# Altium PCB IS12.01.01.PcbDoc
Units mm, origin at the board's own origin, x right, y up, seen from the top; angles counter-clockwise.
Board outline 100 x 100 mm, 2 copper layers (Top Layer, Bottom Layer); 139 components, 131 nets, 684 pads, 23 vias.
Unrouted connection lines stored in the file: 334.
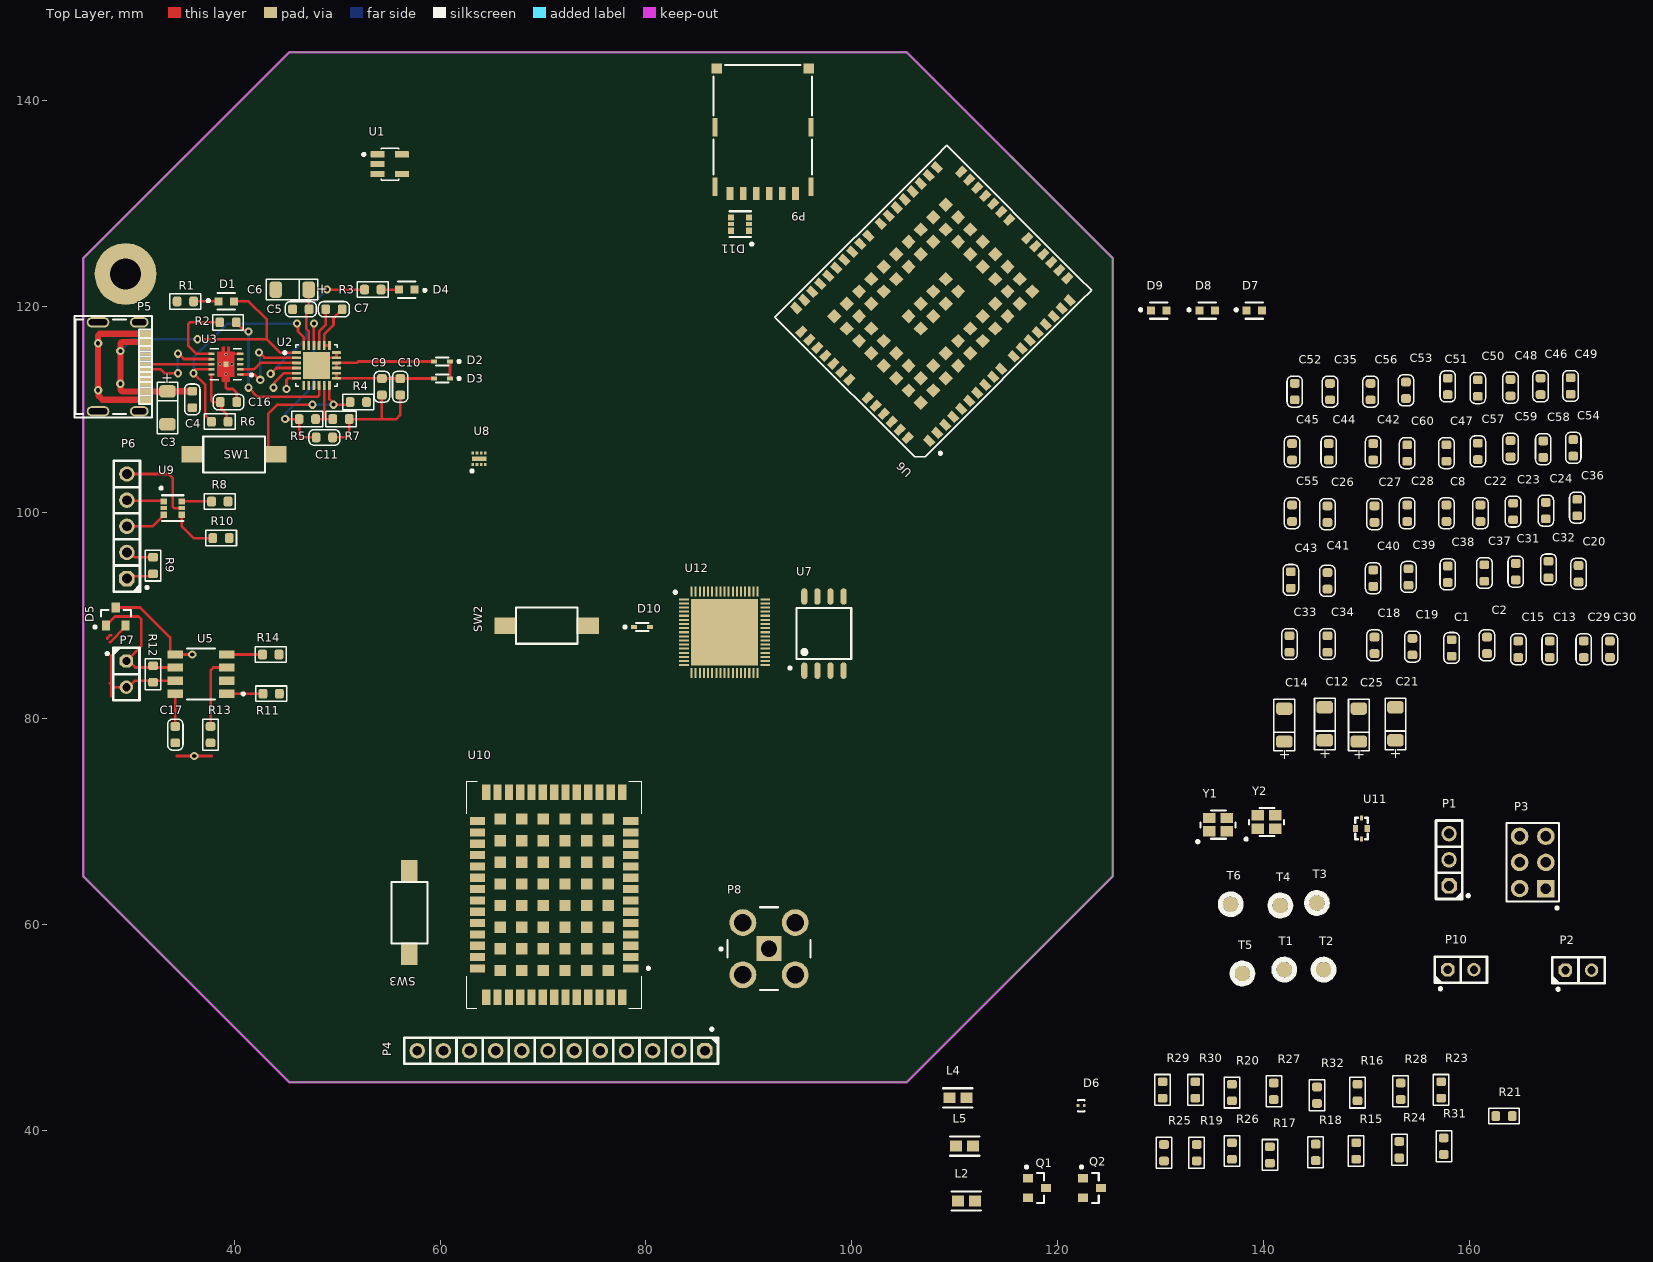
[diagram p0: Top Layer view]
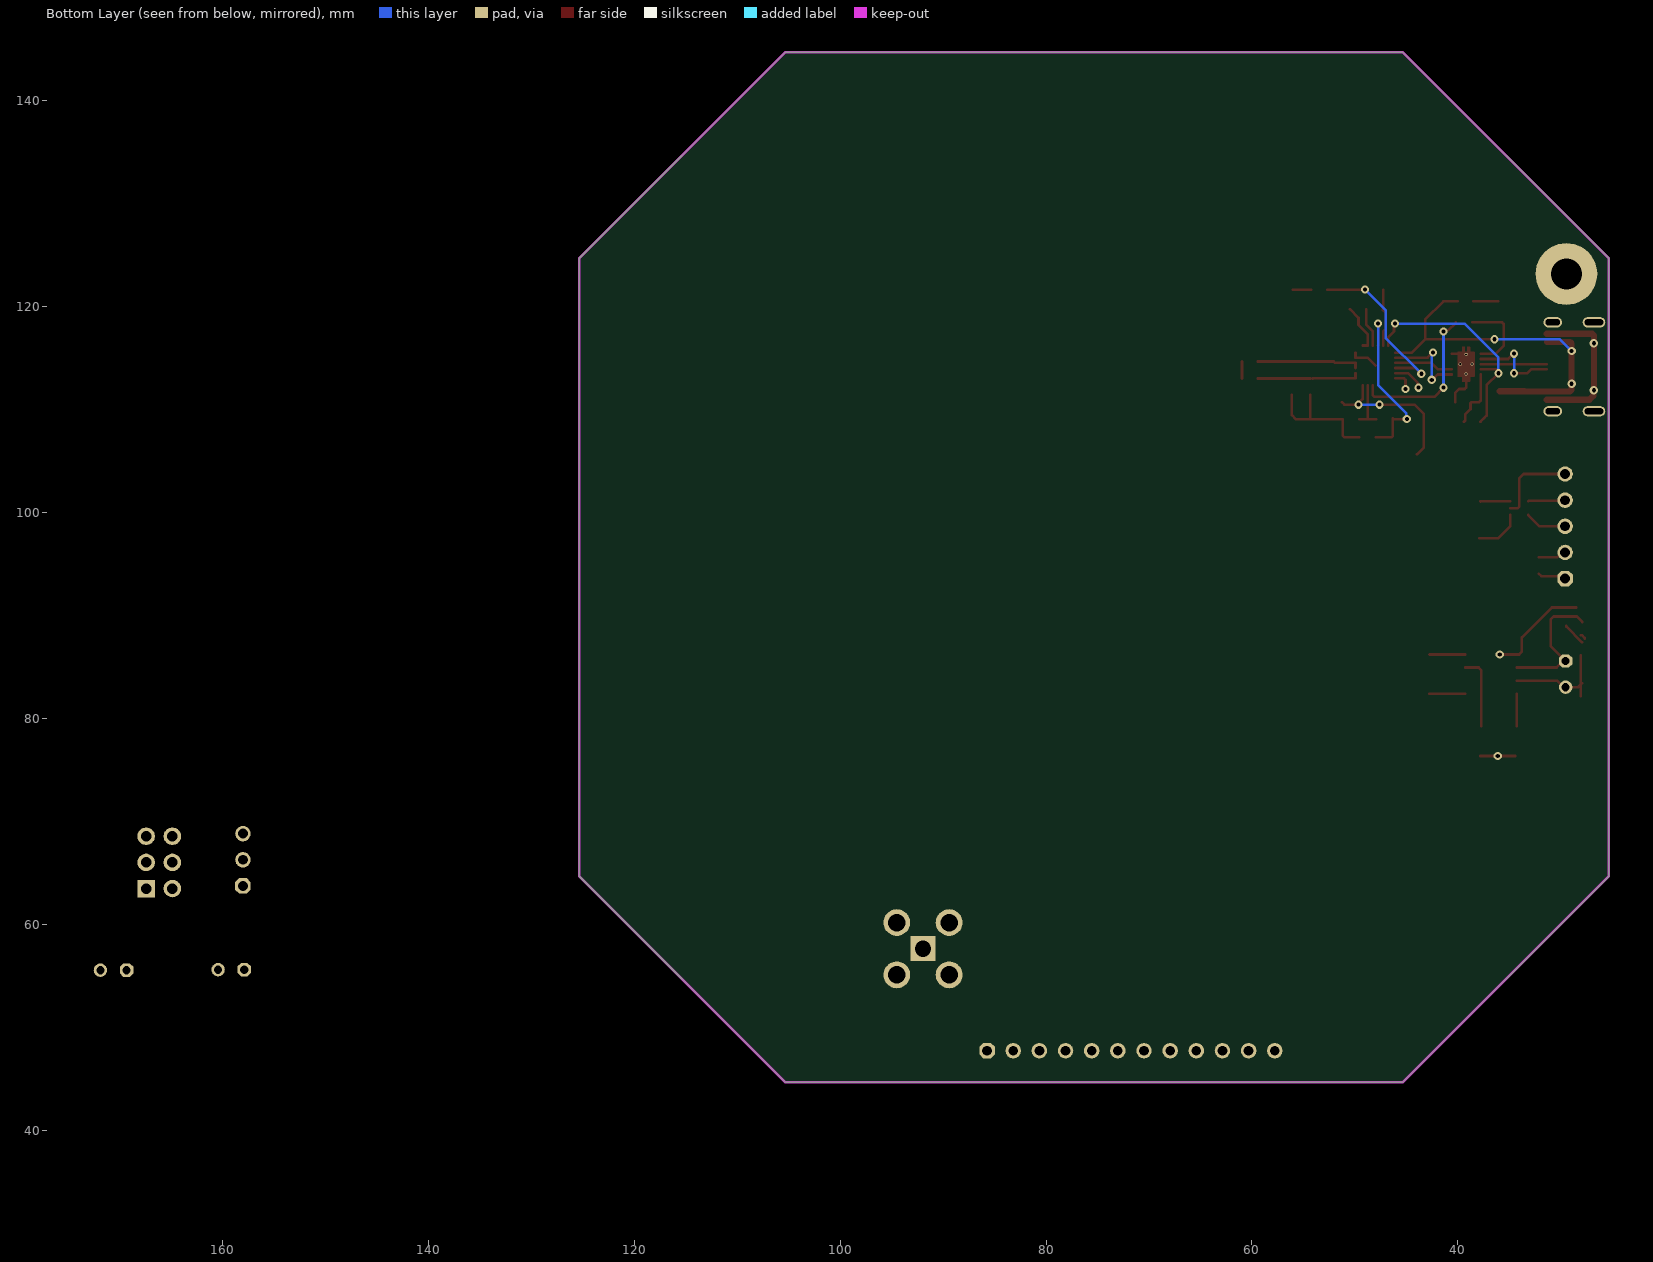
[diagram p1: Bottom Layer view, seen from below]

## Layer stack, top to bottom
Top Solder: solder mask 0.0102, Solder Resist, Dk 3.5
Top Layer: signal copper 0.0356
Dielectric 1: dielectric 0.32, FR-4, Dk 4.8
Bottom Layer: signal copper 0.0356
Bottom Solder: solder mask 0.0102, Solder Resist, Dk 3.5

## Board outline
25.339,64.704 25.339,124.704 45.339,144.704 105.339,144.704 125.339,124.704 125.339,64.704 105.339,44.704 45.339,44.704

## Design rules (kind name [scope] priority, off if disabled: settings)
Clearance [All] p1: gap=0.15 ignorepadtopadclearanceinfootprint=FALSE
PolygonConnect [All] p1: connectstyle=Relief reliefconductorwidth=0.254 reliefentries=4 polygonreliefangle="90 Angle" airgapwidth=0.254
RoutingVias [All] p1: holewidth=0.711 width=1.27 viastyle="Through Hole" minholewidth=0.711 minwidth=1.27 maxholewidth=0.711 maxwidth=1.27
SolderMaskExpansion [All] p1: expansion=0.102 istentingtop=FALSE
Width [All] p1: maxlimit=1 minlimit=0.254 preferedwidth=0.5 minimp=50.000000 maximp=50.000000 favimp=50.000000
30 further rules are at their usual default settings.

## Components (designator, comment, footprint, x,y, rotation, side; value= is the part's Value field where it differs from the comment)
C1 "DNP" C-0603 158.242,86.868 r90 top
C2 "4u7" C-0603 161.671,87.122 r90 top
C3 "100u" A-TANTAL-A 33.528,110.185 r270 top
C4 "DNP" C-0603 35.941,110.998 r90 top
C5 "DNP" C-0603 46.482,119.761 r0 top
C6 "100u" A-TANTAL-A 45.644,121.666 r180 top
C7 "4u7" C-0603 49.695,119.761 r180 top
C8 "DNP" C-0603 157.734,99.949 r90 top
C9 "4u7" C-0603 54.356,112.23 r90 top
C10 "4u7" C-0603 56.134,112.23 r90 top
C11 "4u7" C-0603 48.768,107.315 r180 top
C12 "100u" A-TANTAL-A 145.923,79.502 r90 top
C13 "DNP" C-0603 167.767,86.741 r90 top
C14 "100u" A-TANTAL-A 141.986,79.375 r90 top
C15 "DNP" C-0603 164.719,86.741 r90 top
C16 "DNP" C-0603 39.459,110.744 r180 top
C17 "DNP" C-0603 34.29,78.448 r90 top
C18 "DNP" C-0603 150.749,87.122 r90 top
C19 "DNP" C-0603 154.432,86.995 r90 top
C20 "DNP" C-0603 170.561,94.069 r90 top
C21 "100u" A-TANTAL-A 152.781,79.502 r90 top
C22 "DNP" C-0603 161.036,99.949 r90 top
C23 "DNP" C-0603 164.211,100.114 r90 top
C24 "DNP" C-0603 167.386,100.203 r90 top
C25 "100u" A-TANTAL-A 149.225,79.375 r90 top
C26 "10n" C-0603 146.177,99.86 r90 top
C27 "10n" C-0603 150.749,99.86 r90 top
C28 "10n" C-0603 153.924,99.949 r90 top
C29 "10n" C-0603 171.069,86.741 r90 top
C30 "DNP" C-0603 173.609,86.741 r90 top
C31 "22p" C-0603 164.465,94.272 r90 top
C32 "22p" C-0603 167.64,94.488 r90 top
C33 "22p" C-0603 142.494,87.249 r90 top
C34 "22p" C-0603 146.177,87.249 r90 top
C35 "4u7" C-0603 146.431,111.76 r90 top
C36 "DNP" C-0603 170.434,100.495 r90 top
C37 "DNP" C-0603 161.417,94.145 r90 top
C38 "22p" C-0603 157.861,94.018 r90 top
C39 "22p" C-0603 154.051,93.764 r90 top
C40 "DNP" C-0603 150.622,93.637 r90 top
C41 "DNP" C-0603 146.177,93.383 r90 top
C42 "DNP" C-0603 150.622,105.918 r90 top
C43 "4u7" C-0603 142.621,93.472 r90 top
C44 "DNP" C-0603 146.304,105.918 r90 top
C45 "DNP" C-0603 142.748,105.918 r90 top
C46 "4u7" C-0603 166.878,112.268 r90 top
C47 "DNP" C-0603 157.734,105.791 r90 top
C48 "DNP" C-0603 163.957,112.141 r90 top
C49 "DNP" C-0603 169.799,112.306 r90 top
C50 "DNP" C-0603 160.782,112.103 r90 top
C51 "22p" C-0603 157.861,112.268 r90 top
C52 "DNP" C-0603 143.002,111.76 r90 top
C53 "22p" C-0603 153.797,111.887 r90 top
C54 "22p" C-0603 170.053,106.299 r90 top
C55 "22p" C-0603 142.748,99.949 r90 top
C56 "DNP" C-0603 150.368,111.76 r90 top
C57 "22p" C-0603 160.782,105.956 r90 top
C58 "DNP" C-0603 167.132,106.172 r90 top
C59 "DNP" C-0603 163.957,106.21 r90 top
C60 "DNP" C-0603 153.924,105.791 r90 top
D1 "/Name" FP-LTST-C191TBKT-MFG 39.255,120.523 r0 top
D2 "BAT54KFILM" SOD-523 60.198,114.681 r180 top value=7pF
D3 "BAT54KFILM" SOD-523 60.198,113.03 r180 top value=7pF
D4 "/Name" FP-LTST-C191TBKT-MFG 56.769,121.666 r180 top
D5 "SZNUP2105LT1G" FP-Micro3-IPC_B 28.514,89.912 r90 top value=30pF
D6 "EZA-EG1N50AC" FP-EZAEG1-MFG 122.25,42.41 r0 top
D7 "/Name" FP-LTST-C191TBKT-MFG 139.077,119.634 r0 top
D8 "/Name" FP-LTST-C191TBKT-MFG 134.493,119.634 r0 top
D9 "/Name" FP-LTST-C191TBKT-MFG 129.794,119.634 r0 top
D10 "BAT54KFILM" SOD-523 79.629,88.9 r0 top value=7pF
D11 "PESD3V3L5UY,115" SOT95P280X145-6N 89.154,128.016 r180 top
L2 "10 µH" FP-MLZ1608-IPC_A 111.125,33.147 r0 top
L4 "10 µH" FP-MLZ1608-IPC_A 110.299,43.18 r0 top
L5 "10 µH" FP-MLZ1608-IPC_A 110.935,38.481 r0 top
P1 "boot" PLS-3 157.988,66.294 r90 top
P2 "RS485" PLS-2 170.561,55.626 r0 top
P3 "SWD" SMTC-TSW-103-08-L-D_V 166.139,66.031 r90 top
P4 "Interface select" PLS-12 71.78,47.701 r180 top
P5 "Type-C" FP-217179-0001-MFG 27.94,114.173 r270 top
P6 "GNSS USB Connector" PLS-5 29.591,98.679 r90 top
P7 "RS485" PLS-2 29.591,84.328 r270 top
P8 "ANT" FP-142-0701-201-MFG 91.948,57.658 r0 top
P9 "SIM-card" 693043020611 91.347,137.244 r180 top
P10 "INT_SEL" PLS-2 159.131,55.677 r0 top
Q1 "2N7002" FP-Micro3-IPC_B 117.983,34.417 r0 top
Q2 "2N7002" FP-Micro3-IPC_B 123.317,34.417 r0 top
R1 "1k" R-0603 35.268,120.523 r0 top
R2 "261R" R-0603 39.408,118.491 r0 top
R3 "10k" R-0603 53.467,121.666 r180 top
R4 "100R" R-0603 52.07,110.744 r0 top
R5 "5k23" R-0603 47.117,109.093 r0 top
R6 "10k" R-0603 38.608,108.839 r0 top
R7 "30k1" R-0603 50.381,109.093 r180 top
R8 "100R" R-0603 38.608,101.092 r0 top
R9 "100k" R-0603 32.131,94.869 r270 top
R10 "100R" R-0603 38.735,97.536 r0 top
R11 "100R" R-0603 43.599,82.423 r180 top
R12 "100R" R-0603 32.131,84.328 r90 top
R13 "1k" R-0603 37.719,78.448 r90 top
R14 "100R" R-0603 43.561,86.233 r180 top
R15 "1k" R-0603 148.971,38.011 r90 top
R16 "1k" R-0603 149.098,43.688 r90 top
R17 "47k" R-0603 140.589,37.63 r90 top
R18 "47k" R-0603 145.034,37.884 r90 top
R19 "10k" R-0603 133.477,37.846 r90 top
R20 "300R" R-0603 136.906,43.688 r90 top
R21 "10k" R-0603 163.322,41.402 r0 top
R23 "100k" R-0603 157.226,43.942 r90 top
R24 "4k7" R-0603 153.162,38.138 r90 top
R25 "300R" R-0603 130.302,37.846 r90 top
R26 "100k" R-0603 136.906,38.011 r90 top
R27 "300R" R-0603 140.97,43.815 r90 top
R28 "10k" R-0603 153.289,43.815 r90 top
R29 "10k" R-0603 130.175,43.942 r90 top
R30 "10k" R-0603 133.35,43.942 r90 top
R31 "100R" R-0603 157.48,38.481 r90 top
R32 "10k" R-0603 145.161,43.434 r90 top
SW1 "RES_GNSS" TECO-FSMSMTR_V 40.005,105.664 r180 top
SW2 "RES_GNSS" TECO-FSMSMTR_V 70.358,89.027 r180 top
SW3 "RES_GNSS" TECO-FSMSMTR_V 57.023,61.151 r270 top
T1 "Test_point" test_point 141.986,55.626 r0 top
T2 "Test_point" test_point 145.796,55.626 r0 top
T3 "Test_point" test_point 145.161,62.103 r0 top
T4 "Test_point" test_point 141.605,61.849 r0 top
T5 "Test_point" test_point 137.922,55.245 r0 top
T6 "Test_point" test_point 136.779,61.976 r0 top
U1 "AP2112K-3.3TRG1" SOT95P285X140-5N 55.118,133.858 r0 top
U2 "BQ25895MRTWR" QFN50P400X400X80-25N 48.006,114.3 r0 top
U3 "TS3USB221DRCR" SON50P300X300X100-11N 39.2,114.423 r180 top
U5 "SN65HVD3082EDR" FP-SO-8-MFG 36.788,84.328 r180 top
U6 "EG915NEUAC-N06-SNNSA" XCVR_EG915NEUAC-N06-SNNSA 107.9,120.287 r135 top
U7 "W25Q32BVSSIG" SOIC127P790X216-8N 97.282,88.265 r90 top
U8 "LD56100DPU33R" LD56100DPU33R 63.789,105.241 r0 top
U9 "USBLC6-2SC6" SOT95P280X145-6N 34.036,100.457 r0 top
U10 "ZED-F9P-02B" ZEDF9P02B 71.086,62.899 r90 top
U11 "DEA162450BT-1260B2" FIL_DEA162450BT-1288B1 149.479,69.342 r0 top
U12 "STM32WB55RCV6" QFN40P800X800X100-69N-D 87.63,88.392 r0 top
Y1 "32 MHz" "SMD-4 (4.5x3.2)" 135.548,69.706 r0 top
Y2 "32 MHz" "SMD-4 (4.5x3.2)" 140.247,69.96 r0 top

## Footprints (in the part's own frame and the unit in brackets; to place one, negate y for a bottom-side part, rotate by r counter-clockwise, add the part's x,y. Pads: shape width x height; smd on the part's side, far side on the other; paste and mask are expansions set on the pad)
693043020611 [mm]
  rect 0.65x1.3 smd mask+0.051: C1(1.915,6.25) C2(-0.625,6.25) C3(-1.895,6.25) C5(3.185,6.25) C6(0.645,6.25) C7(-3.165,6.25)
  rect 0.48x1.8 smd mask+0.051: Shield(-4.665,5.58) Shield(-4.665,-0.17) Shield(4.665,5.58) Shield(4.665,-0.17)
  rect 1.03x1 smd mask+0.051: Shield(-4.46,-5.89) Shield(4.47,-5.89)
  silkscreen extent -4.77,-6.25 4.79,4.4, body extent -4.93,-6.25 4.94,6.25, height 1.2
A-TANTAL-A [mm]
  rrect50% 1.2x1.6 smd mask+0.051: 1(-1.6,0) 2(1.6,0)
  silkscreen extent -2.5,-1 2.5,1, body extent -1.7,-0.84 1.7,0.84, height 1.71
C-0603 [mm]
  rrect50% 0.85x0.95 smd: 1(-0.8,0) 2(0.8,0)
  silkscreen extent -1.5,-0.75 1.5,0.75, body extent -0.85,-0.45 0.85,0.45, height 0.9
FIL_DEA162450BT-1288B1 [mm]
  rect 0.3x0.5 smd mask+0.05: 1(0,-1.016) 3(0,1.016)
  rect 0.5x0.7 smd mask+0.05: 2(-0.559,0) 2(0.559,0)
  silkscreen extent -0.61,-1.04 0.61,1.04, body extent -0.47,-0.88 0.47,0.88, height 0.61
FP-142-0701-201-MFG [mil]
  rect 95.46x95.46 hole 62 paste-39370.1 mask+0: 1(0,0)
  round 102.43 hole 67 paste-39370.1 mask+0: 2(-100,100) 3(100,100) 4(-100,-100) 5(100,-100)
  silkscreen extent -188,-158 158,158, body extent -162,-162 162,162, height 10
FP-217179-0001-MFG [mm]
  rrect100% 1x1.8 hole 1.4 slot 0.6 at 0 deg paste-1000 mask+0.102: 1(-4.32,2.85) 2(4.32,2.85)
  rrect100% 1x2.2 hole 1.8 slot 0.6 at 0 deg paste-1000 mask+0.102: 3(-4.32,-1.15) 4(4.32,-1.15)
  rect 0.6x1.15 smd paste+0 mask+0.051: A1-B12(-3.2,3.425) A4-B9(-2.4,3.425) B1-A12(3.2,3.425) B4-A9(2.4,3.425)
  rect 0.3x1.15 smd paste+0 mask+0.051: A5(-1.25,3.425) A6(-0.25,3.425) A7(0.25,3.425) A8(1.25,3.425) B5(1.75,3.425) B6(0.75,3.425) B7(-0.75,3.425) B8(-1.75,3.425)
  silkscreen extent -4.92,-3.45 4.92,4.1, body extent -4.92,-3.45 4.92,4.1, height 0.25
FP-EZAEG1-MFG [mm]
  rect 0.25x0.3 smd paste+0 mask+0.051: 1(-0.295,0.008) 2(0.305,0.008)
  silkscreen extent -0.31,-0.56 0.32,0.57, body extent -0.29,-0.14 0.31,0.16, height 0.26
FP-LTST-C191TBKT-MFG [mil]
  rect 31x31 smd paste+0 mask+2: 1(-29.53,0) 2(29.53,0)
  silkscreen extent -74,-31 33,31, body extent -49,-22 49,22, height 10
FP-Micro3-IPC_B [mm]
  rect 0.972x0.802 smd paste+0 mask+0.051: 1(-0.885,0.95) 2(-0.885,-0.95) 3(0.885,0)
  silkscreen extent -1.15,-1.46 0.65,2.15, body extent -1.22,-1.46 1.22,1.46, height 1.12
FP-MLZ1608-IPC_A [mm]
  rect 1.206x1.058 smd paste+0 mask+0: 1(-0.826,0) 2(0.826,0)
  silkscreen extent -1.43,-0.93 1.43,0.93, body extent -1.93,-1.03 1.93,1.03, height 0.25
FP-SO-8-MFG [mm]
  rect 1.505x0.802 smd paste+0 mask+0: 1(-2.498,1.905) 2(-2.498,0.635) 3(-2.498,-0.635) 4(-2.498,-1.905) 5(2.498,-1.905) 6(2.498,-0.635) 7(2.498,0.635) 8(2.498,1.905)
  silkscreen extent -4.22,-2.47 1.37,2.47, body extent -3.35,-2.58 3.35,2.58, height 0.25
LD56100DPU33R [mm]
  rect 0.26x0.3 smd: 1(-0.6,-0.55) 2(-0.2,-0.55) 3(0.2,-0.55) 4(0.6,-0.55) 5(0.6,0.55) 6(0.2,0.55) 7(-0.2,0.55) 8(-0.6,0.55)
  rect 1.4x0.4 smd: 9(0,0)
  silkscreen extent -0.82,-1.32 -0.57,-1.07, body extent -0.8,-0.6 0.8,0.6, height 1.1
PLS-2 [mm]
  oct 1.3x1.3 hole 0.8: 1(-1.27,-0.051)
  round 1.3 hole 0.8: 2(1.27,-0.051)
  silkscreen extent -2.54,-2.03 2.54,1.22, body extent -2.54,-1.35 2.54,1.19, height 8.65
PLS-3 [mm]
  oct 1.5x1.5 hole 0.95: 1(-2.54,0)
  round 1.5 hole 0.95: 2(0,0) 3(2.54,0)
  silkscreen extent -3.81,-1.98 3.81,1.27, body extent -3.81,-1.27 3.81,1.27, height 8.65
PLS-5 [mm]
  oct 1.5x1.5 hole 0.95: 1(-5.08,0)
  round 1.5 hole 0.95: 2(-2.54,0) 3(0,0) 4(2.54,0) 5(5.08,0)
  silkscreen extent -6.35,-2.08 6.35,1.27, body extent -6.35,-1.27 6.35,1.27, height 8.65
PLS-12 [mm]
  oct 1.5x1.5 hole 0.95: 1(-13.945,-0.051)
  round 1.5 hole 0.95: 2(-11.405,-0.051) 3(-8.865,-0.051) 4(-6.325,-0.051) 5(-3.785,-0.051) 6(-1.245,-0.051) 7(1.295,-0.051) 8(3.835,-0.051) 9(6.375,-0.051) 10(8.915,-0.051) 11(11.455,-0.051) 12(13.995,-0.051)
  silkscreen extent -15.21,-2.26 15.27,1.22, body extent -15.21,-1.32 15.27,1.22, height 8.6
QFN40P800X800X100-69N-D [mm]
  rect 0.95x0.2 smd: 1(-3.95,3.2) 2(-3.95,2.8) 3(-3.95,2.4) 4(-3.95,2) 5(-3.95,1.6) 6(-3.95,1.2) 7(-3.95,0.8) 8(-3.95,0.4) 9(-3.95,0) 10(-3.95,-0.4) 11(-3.95,-0.8) 12(-3.95,-1.2) 13(-3.95,-1.6) 14(-3.95,-2) 15(-3.95,-2.4) 16(-3.95,-2.8) 17(-3.95,-3.2) 35(3.95,-3.2) 36(3.95,-2.8) 37(3.95,-2.4) 38(3.95,-2) 39(3.95,-1.6) 40(3.95,-1.2) 41(3.95,-0.8) 42(3.95,-0.4) 43(3.95,0) 44(3.95,0.4) 45(3.95,0.8) 46(3.95,1.2) 47(3.95,1.6) 48(3.95,2) 49(3.95,2.4) 50(3.95,2.8) 51(3.95,3.2)
  rect 0.2x0.95 smd: 18(-3.2,-3.95) 19(-2.8,-3.95) 20(-2.4,-3.95) 21(-2,-3.95) 22(-1.6,-3.95) 23(-1.2,-3.95) 24(-0.8,-3.95) 25(-0.4,-3.95) 26(0,-3.95) 27(0.4,-3.95) 28(0.8,-3.95) 29(1.2,-3.95) 30(1.6,-3.95) 31(2,-3.95) 32(2.4,-3.95) 33(2.8,-3.95) 34(3.2,-3.95) 52(3.2,3.95) 53(2.8,3.95) 54(2.4,3.95) 55(2,3.95) 56(1.6,3.95) 57(1.2,3.95) 58(0.8,3.95) 59(0.4,3.95) 60(0,3.95) 61(-0.4,3.95) 62(-0.8,3.95) 63(-1.2,3.95) 64(-1.6,3.95) 65(-2,3.95) 66(-2.4,3.95) 67(-2.8,3.95) 68(-3.2,3.95)
  rect 6.5x6.5 smd: 69(0,0)
  silkscreen extent -4.91,3.76 -4.66,4.01, body extent -4.05,-4.05 4.05,4.05, height 1
QFN50P400X400X80-25N [mm]
  rrect25% 0.86x0.27 smd: 1(-1.935,1.25) 2(-1.935,0.75) 3(-1.935,0.25) 4(-1.935,-0.25) 5(-1.935,-0.75) 6(-1.935,-1.25) 13(1.935,-1.25) 14(1.935,-0.75) 15(1.935,-0.25) 16(1.935,0.25) 17(1.935,0.75) 18(1.935,1.25)
  rrect25% 0.27x0.86 smd: 7(-1.25,-1.935) 8(-0.75,-1.935) 9(-0.25,-1.935) 10(0.25,-1.935) 11(0.75,-1.935) 12(1.25,-1.935) 19(1.25,1.935) 20(0.75,1.935) 21(0.25,1.935) 22(-0.25,1.935) 23(-0.75,1.935) 24(-1.25,1.935)
  rect 2.6x2.6 smd paste-2: 25(0,0)
  silkscreen extent -3.2,-2 2,2, body extent -2,-2 2,2, height 0.8
R-0603 [mm]
  rrect50% 0.85x0.95 smd: 1(-0.8,0) 2(0.8,0)
  silkscreen extent -1.5,-0.75 1.5,0.75, body extent -0.8,-0.4 0.8,0.4, height 0.45
"SMD-4 (4.5x3.2)" [mm]
  rect 1.2x1 smd paste+0 mask+0.051: 1(-0.85,-0.648) 2(0.85,0.652) 3(-0.85,0.652) 3(0.85,-0.648)
  silkscreen extent -2.09,-1.78 1.7,1.37, body extent -1.6,-1.26 1.6,1.27, height 1
SMTC-TSW-103-08-L-D_V [mil]
  rect 67x67 / inner round 67 / far side rect 67x67 hole 40 mask+2: 1(-99.64,-49.08)
  round 67 hole 40 mask+2: 2(-99.64,50.92) 3(0.36,-49.08) 4(0.36,50.92) 5(100.36,-49.08) 6(100.36,50.92)
  silkscreen extent -179,-99 150,101, body extent -150,-99 150,101, height 341
SOD-523 [mm]
  rect 0.57x0.42 smd: 1(-0.775,0) 2(0.775,0)
  silkscreen extent -1.78,-0.4 0.6,0.4, body extent -0.8,-0.4 0.8,0.4, height 0.65
SOIC127P790X216-8N [mm]
  oval 1.6x0.6 smd: 1(-3.6,1.905) 2(-3.6,0.635) 3(-3.6,-0.635) 4(-3.6,-1.905) 5(3.6,-1.905) 6(3.6,-0.635) 7(3.6,0.635) 8(3.6,1.905)
  silkscreen extent -3.48,-2.65 2.47,3.42, body extent -3.89,-2.67 4.01,2.61, height 2.16
SON50P300X300X100-11N [mm]
  rrect25% 0.6x0.24 smd mask+0: 1(-1.4,1) 2(-1.4,0.5) 3(-1.4,0) 4(-1.4,-0.5) 5(-1.4,-1) 6(1.4,-1) 7(1.4,-0.5) 8(1.4,0) 9(1.4,0.5) 10(1.4,1)
  round 0.3 hole 0.2 mask+0: 11(-0.575,0) 11(0,0.95) 11(0,-0.95) 11(0.575,0)
  rrect5% 0.5x0.5 smd paste-1 mask+0: 11(0,0)
  Top Layer region: 357 vertices and 0 holes, not listed, extent -0.825,-1.7 0.825,1.7
  silkscreen extent -2.62,-1.52 1.5,1.52, body extent -1.5,-1.5 1.5,1.5, height 1
SOT95P280X145-6N [mm]
  rect 0.6x0.6 smd paste+0 mask+0.051: 1(-0.864,0.64) 3(-0.864,-0.66) 4(0.889,-0.66) 6(0.889,0.64)
  rect 0.6x0.4 smd paste+0 mask+0.051: 2(-0.864,-0.01) 5(0.889,-0.01)
  silkscreen extent -1.24,-1.26 1.06,2.06, body extent -2.14,-1.51 2.17,1.49, height 0.25
SOT95P285X140-5N [mm]
  rrect15% 1.35x0.6 smd: 1(-1.185,0.95) 2(-1.185,0) 3(-1.185,-0.95) 4(1.185,-0.95) 5(1.185,0.95)
  silkscreen extent -2.65,-1.55 0.85,1.55, body extent -1.4,-1.5 1.4,1.5, height 1.4
TECO-FSMSMTR_V [mm]
  rect 2.2x1.6 smd mask+0.051: 1(-4,0)
  rect 2.18x1.6 smd mask+0.051: 2(4,0)
  silkscreen extent -3,-1.75 3,1.75, body extent -4,-1.75 4,1.75, height 2.5
test_point [mil]
  round 60 smd mask+3: 1(0,0)
  silkscreen extent -39,-39 39,39
XCVR_EG915NEUAC-N06-SNNSA [mm]
  rect 1.05x0.7 smd mask+0.051: 1(-9.125,9.7) 2(-9.125,8.6) 3(-9.125,7.5) 4(-9.125,6.4) 5(-9.125,5.3) 6(-9.125,4.2) 7(-9.125,3.1) 8(-9.125,2) 9(-9.125,0.9) 10(-9.125,-0.2) 11(-9.125,-1.9) 12(-9.125,-3) 13(-9.125,-4.1) 14(-9.125,-5.2) 15(-9.125,-6.3) 16(-9.125,-7.4) 17(-9.125,-8.5) 18(-9.125,-9.6) 32(9.125,-9.6) 33(9.125,-8.5) 34(9.125,-7.4) 35(9.125,-6.3) 36(9.125,-5.2) 37(9.125,-4.1) 38(9.125,-3) 39(9.125,-1.9) 40(9.125,-0.2) 41(9.125,0.9) 42(9.125,2) 43(9.125,3.1) 44(9.125,4.2) 45(9.125,5.3) 46(9.125,6.4) 47(9.125,7.5) 48(9.125,8.6) 49(9.125,9.7)
  rect 0.7x1.05 smd mask+0.051: 19(-7.45,-10.975) 20(-6.35,-10.975) 21(-5.25,-10.975) 22(-4.15,-10.975) 23(-3.05,-10.975) 24(-1.95,-10.975) 25(0.55,-10.975) 26(1.65,-10.975) 27(2.75,-10.975) 28(3.85,-10.975) 29(4.95,-10.975) 30(6.05,-10.975) 31(7.15,-10.975) 50(7.15,10.975) 51(6.05,10.975) 52(4.95,10.975) 53(3.85,10.975) 54(2.75,10.975) 55(1.65,10.975) 56(0.55,10.975) 57(-1.95,10.975) 58(-3.05,10.975) 59(-4.15,10.975) 60(-5.25,10.975) 61(-6.35,10.975) 62(-7.45,10.975)
  rect 1x1 smd mask+0.051: 63(-5.95,4.25) 64(-5.95,2.55) 65(-5.95,0.85) 66(-5.95,-0.85) 67(-5.95,-2.55) 68(-5.95,-4.25) 69(-2.55,-7.65) 70(-0.85,-7.65) 71(0.85,-7.65) 72(2.55,-7.65) 73(5.95,-4.25) 74(5.95,-2.55) 75(5.95,-0.85) 76(5.95,0.85) 77(5.95,2.55) 78(5.95,4.25) 79(2.55,7.65) 80(0.85,7.65) 81(-0.85,7.65) 82(-2.55,7.65) 83(-4.25,4.25) 84(-4.25,2.55) 85(-4.25,0.85) 86(-4.25,-0.85) 87(-4.25,-2.55) 88(-4.25,-4.25) 89(-2.55,-5.95) 90(-0.85,-5.95) 91(0.85,-5.95) 92(2.55,-5.95) 93(4.25,-4.25) 94(4.25,-2.55) 95(4.25,-0.85) 96(4.25,0.85) 97(4.25,2.55) 98(4.25,4.25) 99(2.55,5.95) 100(0.85,5.95) 101(-0.85,5.95) 102(-2.55,5.95) 103(-5.95,7.65) 104(-5.95,5.95) 105(-5.95,-5.95) 106(-5.95,-7.65) 107(-4.25,-7.65) 108(4.25,-7.65) 109(5.95,-7.65) 110(5.95,-5.95) 111(5.95,5.95) 112(5.95,7.65) 113(4.25,7.65) 114(-4.25,7.65) 115(-4.25,5.95) 116(-4.25,-5.95) 117(4.25,-5.95) 118(4.25,5.95) 119(-0.85,2.55) 120(-0.85,0.85) 121(-0.85,-0.85) 122(-0.85,-2.55) 123(0.85,-2.55) 124(0.85,-0.85) 125(0.85,0.85) 126(0.85,2.55)
  silkscreen extent -10.88,-11.8 9.95,11.8, body extent -9.95,-11.8 9.95,11.8, height 2.6
ZEDF9P02B [mm]
  rect 0.8x1.5 smd: 1(-7.15,-7.45) 2(-6.05,-7.45) 3(-4.95,-7.45) 4(-3.85,-7.45) 5(-2.75,-7.45) 6(-1.65,-7.45) 7(-0.55,-7.45) 8(0.55,-7.45) 9(1.65,-7.45) 10(2.75,-7.45) 11(3.85,-7.45) 12(4.95,-7.45) 13(6.05,-7.45) 14(7.15,-7.45) 28(7.15,7.45) 29(6.05,7.45) 30(4.95,7.45) 31(3.85,7.45) 32(2.75,7.45) 33(1.65,7.45) 34(0.55,7.45) 35(-0.55,7.45) 36(-1.65,7.45) 37(-2.75,7.45) 38(-3.85,7.45) 39(-4.95,7.45) 40(-6.05,7.45) 41(-7.15,7.45)
  rect 1.5x0.8 smd: 15(9.95,-6.6) 16(9.95,-5.5) 17(9.95,-4.4) 18(9.95,-3.3) 19(9.95,-2.2) 20(9.95,-1.1) 21(9.95,0) 22(9.95,1.1) 23(9.95,2.2) 24(9.95,3.3) 25(9.95,4.4) 26(9.95,5.5) 27(9.95,6.6) 42(-9.95,6.6) 43(-9.95,5.5) 44(-9.95,4.4) 45(-9.95,3.3) 46(-9.95,2.2) 47(-9.95,1.1) 48(-9.95,0) 49(-9.95,-1.1) 50(-9.95,-2.2) 51(-9.95,-3.3) 52(-9.95,-4.4) 53(-9.95,-5.5) 54(-9.95,-6.6)
  rect 1.1x1.1 smd: 55(-7.35,-5.25) 56(-5.25,-5.25) 57(-3.15,-5.25) 58(-1.05,-5.25) 59(1.05,-5.25) 60(3.15,-5.25) 61(5.25,-5.25) 62(7.35,-5.25) 63(7.35,-3.15) 64(5.25,-3.15) 65(3.15,-3.15) 66(1.05,-3.15) 67(-1.05,-3.15) 68(-3.15,-3.15) 69(-5.25,-3.15) 70(-7.35,-3.15) 71(-7.35,-1.05) 72(-5.25,-1.05) 73(-3.15,-1.05) 74(-1.05,-1.05) 75(1.05,-1.05) 76(3.15,-1.05) 77(5.25,-1.05) 78(7.35,-1.05) 79(7.35,1.05) 80(5.25,1.05) 81(3.15,1.05) 82(1.05,1.05) 83(-1.05,1.05) 84(-3.15,1.05) 85(-5.25,1.05) 86(-7.35,1.05) 87(-7.35,3.15) 88(-5.25,3.15) 89(-3.15,3.15) 90(-1.05,3.15) 91(1.05,3.15) 92(3.15,3.15) 93(5.25,3.15) 94(7.35,3.15) 95(7.35,5.25) 96(5.25,5.25) 97(3.15,5.25) 98(1.05,5.25) 99(-1.05,5.25) 100(-3.15,5.25) 101(-5.25,5.25) 102(-7.35,5.25)